# Altium PCB CL-HC-M-V2.1gerber.PcbDoc (part 7 of 16) (continued)
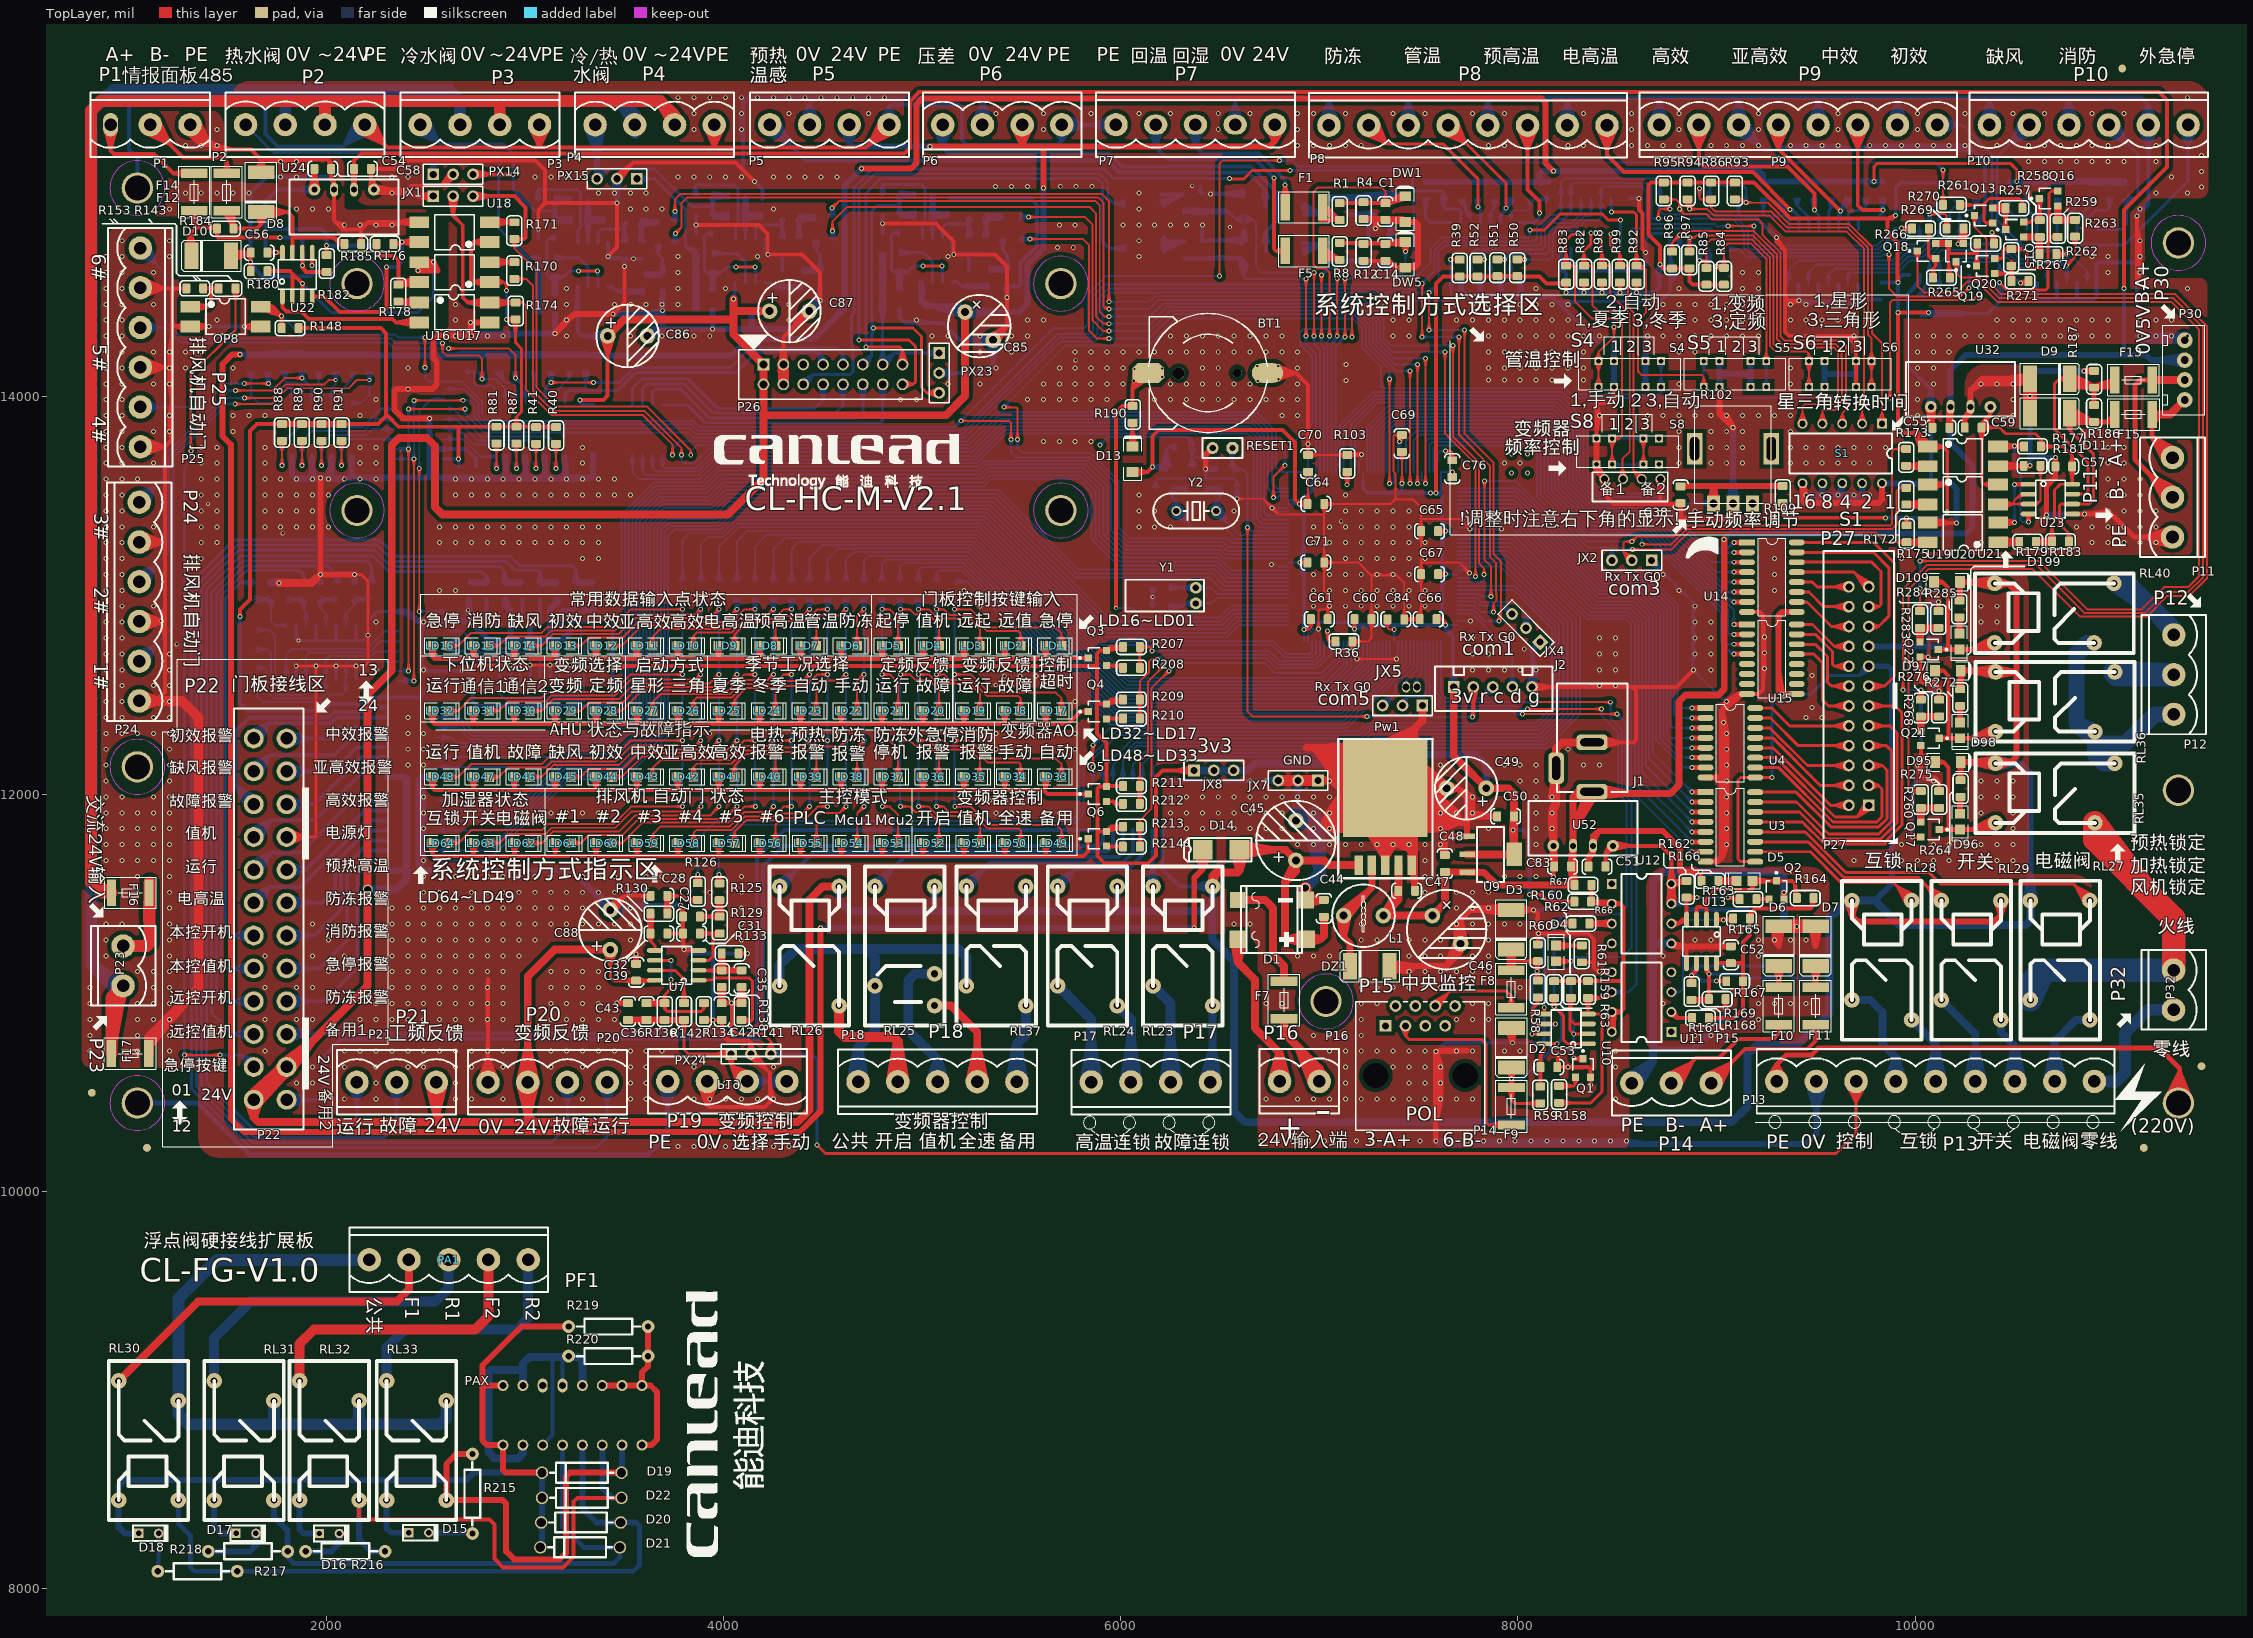
[diagram p0: TopLayer view]
## Nets (pads, with @x,y where several pads share a name; then routed paths per layer and width w, separated by ;. In a path a pad name is that pad's centre, name@x,y a point inside that pad or via, vN(x,y) a via of type N, cw(c..) or ccw(c..) an arc to the next point about the centre after c; other vN are vias at no path point) (continued)
  TopLayer w15: P22.8@1800.66,11784.12 1943.18,11784.12 1949.37,11790.31 v1(1949.37,12644.94) ; P22.8@1801.48,11771.65 1895.66,11784.12 ; P22.8@1801.48,11796.59 1895.66,11784.12 ; P22.8@1804.64,11756.91 1895.66,11784.12 ; P22.8@1804.64,11811.33 1895.66,11784.12 ; P22.8@1810.16,11742.7 1895.66,11784.12 ; P22.8@1810.16,11825.54 1895.66,11784.12 ; v1(1849.37,12644.94) v1(1949.37,12644.94) ; v1(2142.5,13106.58) 2175.41,13106.58 2211.78,13070.21 v1(2211.78,12799.88) 2211.78,12663.83 2192.89,12644.94 v1(2149.37,12644.94) v1(2049.37,12644.94) v1(1949.37,12644.94) ; v1(2685.19,12622.27) 2711.8,12622.27 2739.4,12649.88 v1(2927.06,12649.88) ; 2869.56,12649.88 v1(2927.06,12649.88) ; 2969.56,12649.88 v1(3027.06,12649.88) ; 3069.56,12649.88 v1(3127.06,12649.88) ; 3169.56,12649.88 v1(3227.06,12649.88) v1(3127.06,12649.88) ; C88.2@3411.83,11442.8 3501.68,11488.14 ; C88.2@3419.63,11429.86 3501.68,11488.14 ; C88.2@3430.52,11416.98 3501.68,11488.14 ; C88.2@3443.4,11406.09 3501.68,11488.14 ; C88.2@3456.34,11398.29 3501.68,11488.14 ; 3596.16,11488.14 v1(3531.13,11505.98) 3501.68,11488.14 ; C28.2@3631.3,11475.69 3567.5,11488.14 C28.2@3631.3,11500.58 ; C28.2@3632.5,11488.14 3501.68,11488.14 ; v1(2927.06,12649.88) v1(3027.06,12649.88) ; v1(3027.06,12649.88) v1(3127.06,12649.88)
  TopLayer w20: P24.3@1058.64,12869.2 1187.11,12869.2 v2(1170.6,12872.33) ; P24.5@1058.64,13269.2 1187.11,13269.2 ; P24.3@1062.19,12840.36 v2@1177.7,12869.2 ; P24.3@1062.19,12898.04 v2@1177.7,12869.2 ; P24.5@1062.19,13240.36 1177.7,13269.2 ; P24.5@1062.19,13298.04 1177.7,13269.2 ; P25.1@1064.81,13749.2 1188.46,13749.2 ; P25.3@1064.81,14149.2 1224.46,14149.2 ; P25.5@1067.64,14520.28 1183.9,14546.26 ; P25.1@1068.35,13720.36 1183.86,13749.2 ; P25.1@1068.35,13778.04 1183.86,13749.2 ; P25.3@1068.35,14120.36 1183.86,14149.2 ; P25.3@1068.35,14178.04 1183.86,14149.2 ; P24.3@1068.75,12821.2 v2@1177.7,12869.2 ; P24.3@1068.75,12917.2 v2@1177.7,12869.2 ; P24.5@1068.75,13221.2 1177.7,13269.2 ; P24.5@1068.75,13317.2 1177.7,13269.2 ; P25.5@1069.06,14577.94 1183.9,14546.26 ; P25.5@1073.72,14500.96 1183.9,14546.26 ; P25.1@1074.91,13701.2 1183.86,13749.2 ; P25.1@1074.91,13797.2 1183.86,13749.2 ; P25.3@1074.91,14101.2 1183.86,14149.2 ; P25.3@1074.91,14197.2 1183.86,14149.2 ; P25.5@1076.09,14596.94 1183.9,14546.26 ; P24.3@1100.2,12869.2 v2(1170.6,12872.33) ; P24.3@1102.06,12888.08 v2(1170.6,12872.33) ; P24.3@1102.9,12850.52 v2(1170.6,12872.33) ; P24.3@1105.69,12900.92 v2(1170.6,12872.33) ; P24.3@1107.05,12838.07 v2(1170.6,12872.33) ; 1138.29,14149.2 v1(1211.13,14145.98) ; 1144.32,12469.2 1188.46,12513.34 1188.46,13749.2 ; 1188.46,12792.29 v2(1170.6,12872.33) ; 1188.46,12952.62 v2(1170.6,12872.33) ; 1224.46,13828.69 v1(1211.13,13905.98) ; 1224.46,13983.51 v1(1211.13,13905.98) ; 1224.46,13988.14 v1(1211.13,14065.98) ; 1224.46,14069.17 v1(1211.13,14145.98) ; 1224.46,14303.44 v1(1211.13,14225.98) ; OP8.2@1293.18,14334.66 1242.68,14353.86 ; OP8.2@1293.18,14373.07 1242.68,14353.86 ; R153.2@1296.07,14546.26 1241.56,14546.26 ; OP8.2@1296.71,14353.86 1242.68,14353.86 ; OP8.2@1336.08,14353.86 v1(1410.35,14353.86) ; OP8.2@1338.65,14334.51 v1(1410.35,14353.86) ; OP8.2@1338.65,14373.22 v1(1410.35,14353.86) ; OP8.2@1339.92,14334.85 v1(1410.35,14353.86) ; OP8.2@1339.92,14372.88 v1(1410.35,14353.86) ; OP8.3@1661.38,14353.86 v1(1588.88,14353.79) ; OP8.3@1670.73,14353.86 v1@1588.96,14353.86 ; U24.1@2220.46,15041.49 2225.38,15096.2 ; C54.1@2225.37,15142.69 2225.38,15096.2 ; U24.1@2242.6,15063.23 2330.38,15043.36 ; U24.1@2251.62,15043.36 v1(2331.13,15025.98) ; U24.1@2258.3,15052.23 2225.38,15096.2 ; U24.1@2261.25,15059.01 v1(2331.13,15025.98) ; 2330.75,15043.36 v1(2411.13,15025.98) ; JX1.1@2537.01,14990.78 2449.61,15010.19 JX1.1@2537.01,15029.6 ; JX1.1@2539.14,15010.19 2440.08,15010.19 ; PX14.2@2623.78,15132.6 2581.48,15062.89 ; PX14.2@2651.19,15105.19 2581.48,15062.89 ; P20.4@2766.8,10559.31 2814.81,10668.25 ; P20.4@2785.97,10552.74 2814.81,10668.25 ; v1@2811.46,10872.44 v1(2811.13,10945.98) ; v1@2811.46,10952.43 v1(2811.13,11025.98) ; P20.4@2814.81,10549.2 2814.81,11025.98 2814.81,11070.2 v1(2811.13,11025.98) ; 2814.81,10633.03 v1(2811.13,10705.98) 2814.81,10778.97 ; 2814.81,10792.99 v1(2811.13,10865.98) v1@2814.81,10938.93 ; v1@2814.81,10872.98 v1(2811.13,10945.98) ; v1@2814.81,10952.98 v1(2811.13,11025.98) ; v1@2814.81,11018.86 v1(2811.13,10945.98) ; P20.4@2843.65,10552.74 2814.81,10668.25 ; P20.4@2862.81,10559.31 2814.81,10668.25 ; v1(3067.74,14845.91) 3067.74,14941.52 3101.58,14975.36 ; v1(3417.74,14707.42) 3465.12,14754.8 v1(3465.12,14975.36) 3101.58,14975.36 ; v1(3445.29,14417.71) 3501.54,14473.96 v1(3501.54,14657.11) ; PX15.2@3451.74,15113.29 3536.12,15170.18 PX15.2@3479.23,15085.8 ; PX15.2@3464.16,15098.22 3546.65,15180.71 4060.18,15180.71 v1(4157.55,15083.35) ; C32.2@3717.5,11298.14 C31.2@3796.65,11298.14 ; C31.2@3796.65,11291.84 v1(3802.54,11217.15) ; C31.2@3796.65,11291.88 v1(3802.54,11217.15) ; C31.2@3796.65,11293.14 v1@3796.65,11225.2 ; v1@3802.54,11223.66 v1@3802.54,11219.31 ; v1(3861.36,14865.06) 4178.38,14865.06 4223.22,14820.22 v1(4223.22,14716.22) 4396.64,14716.22 4486.15,14626.7 v1(4486.15,14485.66) ; P19.2@3871.55,10543.56 3919.56,10434.61 ; P19.2@3890.72,10550.12 3919.56,10434.61 ; P19.2@3894.42,10535.29 v1(3931.13,10465.98) ; R134.1@3901.65,10863.14 v1(3948.17,10863.14) ; R134.1@3906.65,10863.14 v1(3948.17,10863.14) ; P19.2@3919.56,10541.94 v1(3931.13,10465.98) ; P19.2@3919.56,10553.66 3919.56,10433.57 ; P19.2@3945.41,10538.18 v1(3931.13,10465.98) ; P19.2@3948.4,10550.12 3919.56,10434.61 ; P19.2@3962.81,10532.78 v1(3931.13,10465.98) ; P19.2@3967.56,10543.56 3919.56,10434.61 ; C42.2@3986.65,10863.14 v1(3948.17,10863.14) ; R133.1@4076.65,11198.14 v1(4121.9,11198.14) ; PX24.2@4119.71,10695.25 4138.92,10746.44 ; PX24.2@4126.5,10676.69 4210.88,10619.81 PX24.2@4153.99,10704.18 ; PX24.2@4158.14,10695.25 4138.92,10746.44 ; 4233.32,10546.38 v1(4251.13,10465.98) 4233.32,10449.71 ; P26.3@4282.41,14164.75 P26.4@4284.53,14074.59 ; P26.4@4282.45,14065.23 4301.86,14152.62 P26.4@4321.27,14065.23 ; P26.3@4282.45,14160.97 4301.86,14073.57 P26.3@4321.27,14160.97 ; P26.3@4282.45,14165.23 4301.86,14252.62 P26.3@4321.27,14165.23 ; P26.3@4283.22,14157.29 P26.4@4319.19,14074.59 ; P26.4@4301.86,14063.1 P26.3@4301.86,14163.1 ; P26.3@4320.51,14157.29 P26.4@4284.53,14074.59 ; P26.3@4321.32,14164.75 P26.4@4319.19,14074.59 ; C87.2@4409.14,14449.85 4350.58,14350.09 C87.2@4450.34,14408.65 ; C87.2@4432.38,14431.89 4301.86,14301.37 P26.3@4301.86,14163.1 ; v1(4801.67,14871.66) 5069.58,14871.66 5159.54,14781.7 v1(5159.54,14717.34) 5366.87,14717.34 5426.86,14657.35 v1(5426.86,14499.93) 5426.86,14354.76 ; C85.2@5340.49,14309.45 5426.86,14354.76 ; C85.2@5357.9,14285.79 5426.86,14354.76 ; C85.2@5381.56,14268.39 5426.86,14354.76 ; BT1.2@6739.26,14120.12 6882.46,14120.12 6943.65,14058.93 v1(6943.65,13761.76) C70.1@6943.65,13707.58 ; BT1.2@6768.79,14120.12 6878,14120.12 ; JX7.3@6791.61,12049.37 JX7.2@6881.78,12051.5 ; JX7.3@6791.61,12088.29 JX7.2@6881.78,12086.16 ; JX7.3@6795.4,12049.42 6882.8,12068.83 JX7.3@6795.4,12088.24 ; JX7.3@6799.08,12050.18 JX7.2@6881.78,12086.16 ; JX7.3@6799.08,12087.47 JX7.2@6881.78,12051.5 ; 6859.33,14127.16 v2(6793.96,14155.38) ; 6860.66,14113.57 v2(6794.69,14088.05) ; 6862.25,14122.92 v2(6793.96,14155.38) ; 6863.05,14117.45 v2(6794.69,14088.05) ; JX7.2@6891.14,12049.42 6803.74,12068.83 JX7.2@6891.14,12088.24 ; JX7.2@6891.61,12049.37 JX7.1@6981.78,12051.5 ; JX7.2@6891.61,12088.29 JX7.1@6981.78,12086.16 ; JX7.2@6895.4,12049.42 6982.8,12068.83 JX7.2@6895.4,12088.24 ; JX7.2@6899.08,12050.18 JX7.1@6981.78,12086.16 ; JX7.2@6899.08,12087.47 JX7.1@6981.78,12051.5 ; JX7.1@6978.36,12068.83 v1(7051.13,12065.98) ; JX7.1@6991.14,12049.42 6903.74,12068.83 JX7.1@6991.14,12088.24 ; 7110.23,12115.08 v1(7051.13,12065.98) ; 7111.26,12014.8 v1(7051.13,12065.98) ; 7112.7,12110.13 v1(7051.13,12065.98) ; 7114.09,12020.17 v1(7051.13,12065.98) ; 7114.89,12105.27 v1(7051.13,12065.98) ; 7116.57,12025.44 v1(7051.13,12065.98) ; 7116.83,12100.48 v1(7051.13,12065.98) ; 7118.53,12095.73 v1(7051.13,12065.98) ; 7118.69,12030.65 v1(7051.13,12065.98) ; Pw1.3@7120.02,12091.01 v1(7051.13,12065.98) ; Pw1.3@7120.48,12035.82 v1(7051.13,12065.98) ; Pw1.3@7121.31,12086.3 v1(7051.13,12065.98) ; Pw1.3@7121.92,12040.94 v1(7051.13,12065.98) ; Pw1.3@7122.39,12081.58 v1(7051.13,12065.98) ; Pw1.3@7123.04,12046.03 v1(7051.13,12065.98) ; Pw1.3@7123.27,12076.83 v1(7051.13,12065.98) ; Pw1.3@7123.83,12051.07 v1(7051.13,12065.98) ; Pw1.3@7123.92,12068.83 v1(7051.13,12065.98) ; Pw1.3@7123.93,12072.04 v1(7051.13,12065.98) ; Pw1.3@7124.32,12056.08 v1(7051.13,12065.98) ; Pw1.3@7124.51,12061.03 v1(7051.13,12065.98) ; Pw1.3@7185.2,11856.25 7465.6,11709.23 ; Pw1.3@7195.55,11874.51 7465.6,11709.23 ; Pw1.3@7206.98,11891.87 7465.6,11709.23 ; Pw1.3@7219.41,11908.3 7465.6,11709.23 ; R12.1@7222.76,14685.04 C14.2@7332.76,14685.04 7356.37,14685.04 7391.37,14650.04 ; Pw1.3@7232.77,11923.78 7465.6,11709.23 ; Pw1.3@7247.02,11938.28 7465.6,11709.23 ; 7247.76,14685.04 C14.2@7327.76,14685.04 ; Pw1.3@7250.51,11873.93 v1@7057.85,12068.83 ; Pw1.3@7262.08,11951.76 7465.6,11709.23 ; Pw1.3@7263.28,12250.21 v1@7057.85,12068.83 ; Pw1.3@7265.1,11889.53 v1@7057.85,12068.83 ; Pw1.3@7276.78,12233.66 v1@7057.85,12068.83 ; Pw1.3@7277.9,11964.2 7465.6,11709.23 ; Pw1.3@7278.26,11905.98 v1@7057.85,12068.83 ; Pw1.3@7288.8,12216.36 v1@7057.85,12068.83 ; Pw1.3@7289.99,11923.18 v1@7057.85,12068.83 ; Pw1.3@7294.43,11975.58 7465.6,11709.23 ; Pw1.3@7299.33,12198.4 v1@7057.85,12068.83 ; Pw1.3@7300.28,11941.04 v1@7057.85,12068.83 ; Pw1.3@7308.3,11791.7 v1(7371.13,11745.98) ; Pw1.3@7308.39,12179.89 v1@7057.85,12068.83 ; Pw1.3@7309.13,11959.46 v1@7057.85,12068.83 ; Pw1.3@7311.61,11985.87 7465.6,11709.23 ; Pw1.3@7311.8,11803.36 v1(7371.13,11745.98) ; Pw1.3@7315.96,12160.91 v1@7057.85,12068.83 ; Pw1.3@7316.53,11978.35 v1@7057.85,12068.83 ; Pw1.3@7322.07,12141.56 v1@7057.85,12068.83 ; Pw1.3@7322.48,11997.62 v1@7057.85,12068.83 ; Pw1.3@7326.7,12121.93 v1@7057.85,12068.83 ; Pw1.3@7326.99,12017.2 v1@7057.85,12068.83 ; Pw1.3@7329.87,12102.09 v1@7057.85,12068.83 ; Pw1.3@7330.04,12037 v1@7057.85,12068.83 ; Pw1.3@7331.57,12082.13 v1@7057.85,12068.83 ; Pw1.3@7331.74,12027.84 7290.75,12068.83 JX7.2@6893.27,12068.83 ; Pw1.3@7333.44,12029.54 Pw1.3@7422.38,12029.54 ; C14.2@7337.76,14685.04 7391.37,14650.04 ; Pw1.3@7352.55,12004.96 7465.6,11709.23 ; 7365.63,11779.83 v1(7451.13,11745.98) ; Pw1.3@7371.47,12011.52 7465.6,11709.23 ; Pw1.3@7372.27,11784.69 v1(7451.13,11745.98) ; Pw1.3@7378.2,11789.76 v1(7451.13,11745.98) ; Pw1.3@7383.75,11795 v1(7451.13,11745.98) ; Pw1.3@7389.91,11799.42 v1(7451.13,11745.98) ; Pw1.3@7390.81,12016.87 7465.6,11709.23 ; Pw1.3@7396.6,11802.95 v1(7451.13,11745.98) ; Pw1.3@7403.3,11806.17 v1(7451.13,11745.98) ; Pw1.3@7410.01,11809.09 v1(7451.13,11745.98) ; Pw1.3@7410.51,12021.01 7465.6,11709.23 ; DW5.A@7424.67,14635.36 7391.37,14650.04 ; DW5.A@7424.67,14664.72 7391.37,14650.04 ; Pw1.3@7425.29,11814.66 v1(7451.13,11745.98) ; DW5.A@7427.76,14650.04 7391.37,14650.04 ; Pw1.3@7430.52,12023.89 7465.6,11709.23 ; Pw1.3@7432.04,11816.98 v1(7451.13,11745.98) ; DW5.A@7432.76,14650.04 7391.37,14650.04 ; Pw1.3@7438.39,11821.16 v1(7451.13,11745.98) ; Pw1.3@7442.66,11839.06 v1(7451.13,11745.98) ; Pw1.3@7445.84,11886.43 v1(7451.13,11745.98) ; 7446.42,11719.28 v1(7371.13,11745.98) ; 7453.25,11716.79 v1(7371.13,11745.98) ; Pw1.5@7465.6,11642.84 7465.6,11859.96 7465.6,11893.98 Pw1.3@7482.38,11877.2 ; Pw1.5@7465.6,11668.15 v1(7451.13,11745.98) ; Pw1.3@7465.6,11823.93 v1(7451.13,11745.98) ; Pw1.3@7467.54,11818.45 v1(7451.13,11745.98) ; Pw1.3@7471.22,12025.79 7465.6,11709.23 ; Pw1.3@7474.64,11818.07 v1(7451.13,11745.98) ; Pw1.5@7476.24,11674.59 v1(7451.13,11745.98) ; Pw1.5@7476.63,11671.74 7465.6,11752.05 ; Pw1.3@7481.76,11817.27 v1(7451.13,11745.98) ; Pw1.3@7488.91,11816.06 v1(7451.13,11745.98) ; Pw1.3@7491.8,12024.75 7465.6,11709.23 ; Pw1.3@7512.45,12022.35 7465.6,11709.23 ; Pw1.3@7533.09,12018.56 7465.6,11709.23 ; D2.A@7942.77,10818.95 v1@7967.38,10752.52 ; D2.A@7943.62,10816.65 v1(7971.53,10748.36) ; D2.A@7967.38,10821.55 v1(7971.53,10748.36) ; D2.A@7967.38,10823.36 v1@7967.38,10752.52 ; D3.A@7998.39,11417.65 v1(8077.89,11417.65) ; D3.A@8002.32,11392.96 v1(8077.89,11417.65) ; D3.A@8002.32,11442.34 v1(8077.89,11417.65) ; D3.A@8002.38,11417.65 v1(8077.89,11417.65) ; D3.A@8008.35,11440.37 v1(8077.89,11417.65) ; J2.5@8070.43,12539.55 8491.13,12539.55 8575.87,12539.55 ; J2.5@8072.56,12520.14 8159.96,12539.55 J2.5@8072.56,12558.96 ; 8099.85,11271.32 v1(8091.13,11345.98) ; C83.1@8177.95,11640.06 v1(8177.95,11582) C83.1@8182.42,11630.59 ; C53.1@8197.88,10631.04 v1(8202.88,10688.36) C53.1@8202.88,10626.04 ; R61.2@8321.76,11153.69 8383.84,11153.69 ; 8323.63,10626.04 v1(8251.13,10625.98) ; R61.2@8326.76,11153.69 8383.84,11153.69 ; 8337.18,12539.55 v1(8411.13,12545.98) v1@8484.76,12539.55 ; Q1.3@8364.78,10573.82 v1(8364.78,10536.34) Q1.3@8364.78,10574.8 8364.78,10615.09 ; Q1.3@8364.78,10575.79 8364.78,10615.09 ; J1.2@8373.2,12260.58 8582.33,12260.58 8595.02,12273.26 8595.02,12520.4 8575.87,12539.55 ; S8.1@8395.28,13790 8395.28,13968.97 ; 8395.28,13827.1 v1(8411.13,13905.98) 8395.28,13968.97 ; 8405.28,13978.97 8395.28,13968.97 ; J1.2@8412.57,12260.58 8511.94,12260.58 ; v1@8416.14,12545.54 v1(8491.13,12545.98) ; J1.2@8416.91,12231.53 8511.94,12260.58 ; J1.2@8416.91,12289.62 8511.94,12260.58 ; v1@8417.16,12539.55 v1(8491.13,12545.98) ; pad.2@8420.34,13585.21 8435.27,13508.44 ; pad.2@8435.27,13586.65 8435.27,13508.44 ; pad.2@8450.2,13585.21 8435.27,13508.44 ; S4.2@8484.02,14050.08 8484.02,13988.36 8464.64,13968.97 8395.28,13968.97 ; 8564.78,12539.55 v1(8491.13,12545.98) ; pad.5@8702.32,13585.33 8717.26,13501.65 pad.5@8732.21,13585.33 ; pad.5@8717.26,13586.65 8717.26,13463.31 8713.66,13459.7 ; 8733.64,13459.7 C38.2@8813.93,13464.7 ; C38.2@8818.93,13459.7 8713.66,13459.7 ; v1(8884.8,12625.15) 8799.2,12539.55 8575.87,12539.55 ; U15.8@9153.64,12504.54 9211.82,12504.54 ; U14.8@9153.64,12917.5 9218.26,12917.5 ; U15.8@9178.64,12504.54 9211.82,12504.54 ; U14.8@9178.64,12917.5 9218.26,12917.5 ; 9233.51,12557.28 v1(9241.79,12631.76) ; v1@9233.51,12637.07 v1(9241.79,12711.76) ; v1@9233.51,12706.55 v1(9241.79,12631.76) ; v1@9233.51,12716.98 v1(9241.79,12791.76) 9233.51,12866.26 ; v1@9233.51,12786.46 v1(9241.79,12711.76) ; v1@9241.33,12707.61 v1(9241.79,12631.76) ; v1@9241.33,12787.58 v1(9241.79,12711.76) ; S6.2@9701.5,14050.08 S6.2@9701.5,14180 9701.5,14264.45 ; Q17.3@10027.15,11783.96 v1(9987.01,11783.96) Q17.3@10028.13,11783.96 ; Q21.3@10028.13,12243.97 v1(10028.13,12182.72) ; U32.1@10058.46,13947.85 C55.2@10078.34,13860.07 ; U19.3@10062.64,13368.09 10066.43,13364.31 v1(10208.99,13364.31) ; U32.1@10063.01,13927.75 C55.2@10086.91,13849.31 ; U32.1@10078.34,13930.56 C55.2@10086.91,13849.31 ; U32.1@10078.34,13931.39 C55.2@10086.91,13849.31 ; U19.3@10082.32,13368.09 10171.92,13364.31 ; U19.3@10083.63,13348.61 10171.92,13364.31 ; U19.3@10085.27,13387.4 10171.92,13364.31 ; C55.2@10086.91,13844.31 10078.34,13852.88 U32.1@10078.34,13950.07 C55.2@10078.34,13860.07 ; U32.1@10094.81,13932.83 C55.2@10086.91,13849.31 ; U32.1@10098.22,13947.85 C55.2@10078.34,13860.07 ; R275.1@10120.65,12015.36 10120.65,12064.08 ; 11115.41,14627.04 v1(11131.13,14705.98) ; 11115.41,14707.76 v1(11131.13,14785.98) ; 11115.41,14837.66 v1(11115.41,14910.16) 11115.41,14785.98 ; 11115.41,14864.85 v1(11131.13,14785.98) ; 1183.9,14546.26 P25.5@1064.81,14549.2 1067.75,14546.26 1241.56,14546.26 ; 1188.46,13749.2 1224.46,13785.2 ; v1(1211.13,13825.98) 1224.46,13903.75 v1(1211.13,13905.98) ; v1(1211.13,13825.98) 1224.46,13785.2 ; v1(1211.13,13825.98) v1(1211.13,13905.98) ; v1(1211.13,14065.98) 1224.46,14065.98 ; v1(1211.13,14065.98) 1224.46,14142.85 v1(1211.13,14145.98) ; v1(1211.13,14065.98) 1224.46,14065.98 ; v1(1211.13,14065.98) v1(1211.13,14145.98) ; v1(1211.13,14145.98) 1224.46,14223.72 v1(1211.13,14225.98) ; v1(1211.13,14145.98) 1224.46,14149.2 ; v1(1211.13,14145.98) 1224.46,14149.2 ; v1(1211.13,14145.98) 1224.46,14149.2 ; v1(1211.13,14145.98) v1(1211.13,14225.98) ; v1(1211.13,14225.98) 1224.46,14149.23 ; 1224.46,13785.2 1224.46,14065.98 ; 1224.46,14065.98 1224.46,14149.2 ; 1224.46,14149.2 1224.46,14372.08 ; 1224.46,14372.08 1224.46,14529.17 1241.56,14546.26 ; 1224.46,14372.08 1242.68,14353.86 ; 1242.68,14353.86 OP8.2@1316.4,14353.86 v1(1410.35,14353.86) ; v1(1410.35,14353.86) 1337.85,14353.86 v1(1410.35,14353.86) ; v1(1588.88,14353.79) v1@1588.96,14353.86 ; v1(1588.88,14353.79) 1647.97,14334.58 v1@1588.96,14353.86 ; v1(1588.88,14353.79) 1647.97,14373.15 v1@1588.96,14353.86 ; v1(1588.88,14353.79) 1651.04,14353.86 v1@1588.96,14353.86 ; 2225.38,15096.2 C54.1@2225.37,15147.69 2341.22,15147.69 2384.22,15190.69 3053.41,15190.69 3101.58,15142.52 3101.58,14975.36 ; 2225.38,15096.2 2240.38,15081.2 ; 2225.38,15096.2 U24.1@2240.38,15043.36 ; U24.1@2240.38,15043.36 2240.38,15081.2 ; U24.1@2240.38,15043.36 2406.91,15043.36 ; U24.1@2240.38,15043.36 2240.38,15081.2 ; 2240.38,15081.2 2221.09,15048.64 2240.38,15081.2 ; 2240.38,15081.2 2259.66,15048.64 2240.38,15081.2 ; 2330.38,15043.36 2242.6,15023.48 v1(2331.13,15025.98) ; 2330.38,15043.36 v1(2331.13,15025.98) ; 2330.38,15043.36 v1(2331.13,15025.98) ; v1(2331.13,15025.98) 2406.91,15043.36 ; v1(2331.13,15025.98) v1(2411.13,15025.98) ; 2406.91,15043.36 2426.45,15062.89 ; 2406.91,15043.36 2440.08,15010.19 ; 2406.91,15043.36 v1(2411.13,15025.98) ; 2406.91,15043.36 v1(2411.13,15025.98) ; 2406.91,15043.36 v1(2411.13,15025.98) ; 2406.91,15043.36 v1(2411.13,15025.98) ; v1(2411.13,15025.98) 2426.45,15062.89 ; v1(2411.13,15025.98) 2440.08,15010.19 ; 2426.45,15062.89 2581.48,15062.89 ; 2581.48,15062.89 PX14.2@2639.14,15120.55 2581.48,15062.89 ; v1(3784.92,11440.88) 3796.65,11429.15 ; v1(3784.92,11440.88) C27.2@3796.65,11383.14 ; v1(3784.92,11440.88) 3796.65,11388.14 3796.65,11429.15 ; v1@3796.65,11225.2 v1@3802.54,11219.31 ; v1@3796.65,11225.2 C31.2@3796.65,11298.14 ; C31.2@3796.65,11298.14 C27.2@3796.65,11383.14 ; C31.2@3796.65,11298.14 3796.65,11378.14 3796.65,11303.14 C27.2@3796.65,11383.14 ; C27.2@3796.65,11383.14 3796.65,11429.15 ; v1(3802.54,11217.15) v1@3802.54,11219.31 ; v1(3802.54,11217.15) U7.4@3874.97,11213.14 v1@3808.71,11213.14 ; v1(3802.54,11217.15) 3846.97,11213.14 v1@3808.71,11213.14 ; v1@3802.54,11219.31 v1@3808.71,11213.14 ; 3919.56,10433.57 3928.65,10424.48 4208.08,10424.48 4233.32,10449.71 ; 3919.56,10433.57 v1(3931.13,10465.98) ; 3919.56,10434.61 v1(3931.13,10465.98) ; 3919.56,10434.61 v1(3931.13,10465.98) ; 3919.56,10434.61 v1(3931.13,10465.98) ; v1(3948.17,10863.14) C42.2@3991.65,10863.14 3991.65,10790.42 4023.02,10759.05 4126.31,10759.05 4138.92,10746.44 ; 4138.92,10746.44 PX24.2@4138.92,10691.76 4233.32,10597.37 4233.32,10449.71 ; P26.4@4284.53,14074.59 P26.3@4301.86,14163.1 ; P26.3@4301.86,14163.1 P26.4@4319.19,14074.59 ; JX7.3@6793.27,12068.83 JX7.2@6893.27,12068.83 ; JX7.3@6793.27,12068.83 JX7.2@6881.78,12051.5 ; JX7.3@6793.27,12068.83 JX7.2@6881.78,12086.16 ; v2(6793.96,14155.38) 6775.83,14158.69 6878,14120.12 ; v2(6793.96,14155.38) 6770.48,14139.25 6878,14120.12 ; v2(6794.69,14088.05) 6775.83,14081.54 6878,14120.12 ; v2(6794.69,14088.05) 6770.48,14100.98 6878,14120.12 ; JX7.2@6893.27,12068.83 JX7.1@6981.78,12051.5 ; JX7.2@6893.27,12068.83 JX7.1@6981.78,12086.16 ; v1(7051.13,12065.98) 7082.8,12068.83 ; v1(7051.13,12065.98) 6995.4,12088.24 7082.8,12068.83 ; v1(7051.13,12065.98) 7082.8,12068.83 ; v1(7051.13,12065.98) 6995.4,12049.42 7082.8,12068.83 ; v1(7451.13,11745.98) 7465.6,11752.05 ; v1(7451.13,11745.98) 7465.6,11752.05 ; v1(7451.13,11745.98) 7465.6,11670.99 7465.6,11752.05 ; v1(7451.13,11745.98) 7465.6,11709.23 ; v1(7451.13,11745.98) 7465.6,11709.23 ; v1(7451.13,11745.98) 7465.6,11709.23 ; v1(7451.13,11745.98) 7465.6,11752.05 ; v1(7451.13,11745.98) 7454.56,11671.74 7465.6,11752.05 ; v1(7451.13,11745.98) 7465.6,11709.23 ; v1(7451.13,11745.98) 7465.6,11709.23 ; v1(7451.13,11745.98) 7450.77,12025.49 7465.6,11709.23 ; v1(7451.13,11745.98) 7465.6,11709.23 ; v1(7451.13,11745.98) 7465.6,11709.23 ; v1(7451.13,11745.98) 7465.6,11709.23 ; v1(7451.13,11745.98) 7465.6,11709.23 ; v1(7451.13,11745.98) 7465.6,11709.23 ; v1(7451.13,11745.98) 7465.6,11709.23 ; v1(7451.13,11745.98) 7465.6,11709.23 ; v1(7451.13,11745.98) 7465.6,11709.23 ; v1(7451.13,11745.98) 7465.6,11709.23 ; v1(7451.13,11745.98) 7465.6,11709.23 ; v1(7451.13,11745.98) 7465.6,11709.23 ; v1(7451.13,11745.98) 7465.6,11709.23 ; v1(7451.13,11745.98) 7465.6,11709.23 ; v1@7967.38,10752.52 v1(7971.53,10748.36) ; v1@7967.38,10752.52 7991.98,10818.95 v1(7971.53,10748.36) ; v1(8077.89,11417.65) 8099.85,11395.68 ; v1(8091.13,11345.98) 8099.85,11395.68 ; v1(8091.13,11345.98) v1(8102.38,11298.36) ; v1(8091.13,11345.98) 8099.85,11371.05 v1(8102.38,11298.36) ; 8099.85,11395.68 R60.1@8099.85,11243.84 v1(8102.38,11298.36) ; v1(8102.38,11298.36) 8353.84,11298.36 8383.84,11268.36 8383.84,11153.69 ; C53.1@8202.88,10626.04 8353.83,10626.04 8364.78,10615.09 ; C53.1@8202.88,10626.04 v1(8251.13,10625.98) ; v1(8251.13,10625.98) 8277.88,10626.04 C53.1@8197.88,10626.04 v1(8251.13,10625.98) ; 8383.84,11126.9 v1@8407.38,11103.36 ; 8383.84,11126.9 8383.84,11153.69 ; 8383.84,11126.9 v1(8411.13,11105.98) ; v1@8407.38,11103.36 U11.5@8472.38,11103.36 ; v1@8407.38,11103.36 8470.64,11088.46 v1(8411.13,11105.98) ; v1@8407.38,11103.36 8470.64,11118.26 v1(8411.13,11105.98) ; v1@8407.38,11103.36 U11.5@8472.38,11103.36 ; v1(8411.13,11105.98) U11.5@8472.38,11103.36 ; v1(8411.13,11105.98) U11.5@8472.38,11103.36 ; 8435.27,13508.44 8484.01,13459.7 8713.66,13459.7 ; 8609.86,14939.81 v1(8609.86,14998.36) 8609.86,14939.81 ; 8609.86,14939.81 8626.37,14923.3 8626.37,14743.82 ; 8626.37,14743.82 v1(8643.32,14726.87) 8626.37,14743.82 ; 9211.82,12504.54 9233.51,12526.23 9233.51,12902.25 9218.26,12917.5 ; 9301.19,14779.41 v1(9301.19,14801.68) ; 9301.19,14779.41 9345.24,14735.36 ; 9301.19,14779.41 v1(9301.19,14801.68) ; 9301.19,14779.41 v1(9301.19,14801.68) ; v1(9301.19,14801.68) 9345.24,14735.36 ; 9345.24,14464.85 9345.24,14326.89 9365.63,14306.49 9659.45,14306.49 ; 9345.24,14464.85 9345.24,14504.64 ; 9345.24,14464.85 9365.13,14484.74 ; 9345.24,14464.85 v1(9371.13,14465.98) ; 9345.24,14504.64 9365.13,14484.74 ; 9345.24,14504.64 9345.24,14735.36 ; 9345.24,14504.64 v1(9371.13,14465.98) ; 9365.13,14484.74 v1(9414.55,14484.74) v1(9371.13,14465.98) ; 9365.13,14484.74 v1(9371.13,14465.98) ; 9365.13,14484.74 v1(9371.13,14465.98) ; 9365.13,14484.74 v1(9371.13,14465.98) ; 9659.45,14306.49 9701.5,14264.45 ; 9659.45,14306.49 v1(9691.13,14305.98) 9701.5,14264.45 ; 10024.08,12572.66 10038.38,12558.36 ; 10024.08,12572.66 Q22.3@10024.08,12690.42 ; 10024.08,12572.66 v1(10011.13,12625.98) Q22.3@10024.08,12690.42 ; Q22.3@10024.08,12690.42 v1(10064.32,12690.42) ; Q22.3@10024.08,12690.42 v1(10064.32,12690.42) ; 10028.13,12096.6 10040.68,12084.06 ; 10028.13,12096.6 v1(10028.13,12182.72) ; 10028.13,12096.6 v1(10011.13,12145.98) v1(10028.13,12182.72) ; 10038.38,12558.36 10105.07,12558.36 ; 10038.38,12558.36 v1(10091.13,12545.98) ; 10040.68,12084.06 10100.68,12084.06 ; 10040.68,12084.06 v1(10091.13,12065.98) ; v1(10064.32,12690.42) 10025.06,12690.42 v1(10064.32,12690.42) ; v1(10091.13,12065.98) 10100.68,12084.06 ; v1(10091.13,12065.98) 10120.65,12064.08 ; v1(10091.13,12065.98) 10100.68,12084.06 ; v1(10091.13,12545.98) 10120.65,12542.78 ; v1(10091.13,12545.98) 10105.07,12558.36 ; v1(10091.13,12545.98) 10105.07,12558.36 ; 10100.68,12084.06 10120.65,12064.08 ; 10105.07,12558.36 10120.65,12542.78 ; 10120.65,12542.78 R276.1@10120.65,12475.37 v1(10119.35,12519.83) 10120.65,12542.78 ; 11115.41,14705.98 v1(11115.41,14574.45) v1(11131.13,14625.98) ; 11115.41,14705.98 11115.41,14785.98 ; 11115.41,14705.98 v1(11131.13,14705.98) ; 11115.41,14705.98 v1(11131.13,14705.98) ; 11115.41,14785.98 v1(11131.13,14785.98) ; 11115.41,14785.98 v1(11131.13,14785.98) ; v1(11131.13,14625.98) 11115.41,14704.21 v1(11131.13,14705.98) ; v1(11131.13,14625.98) v1(11131.13,14705.98) ; v1(11131.13,14705.98) 11115.41,14784.21 v1(11131.13,14785.98) ; v1(11131.13,14705.98) v1(11131.13,14785.98) ; R12.1@7227.76,14685.04 7307.76,14685.04 R12.1@7227.76,14685.04 ; U10.5@8132.38,10893.36 v1(8132.38,10925.74) U10.5@8132.38,10893.36 ; R284.1@10116.6,12921.82 10116.6,12966.58 v1(10118.38,12968.36) R284.1@10116.6,12921.82